# Altium PCB OCP-TimeCardMini-TI_V1.PcbDoc (part 3 of 11) (continued)
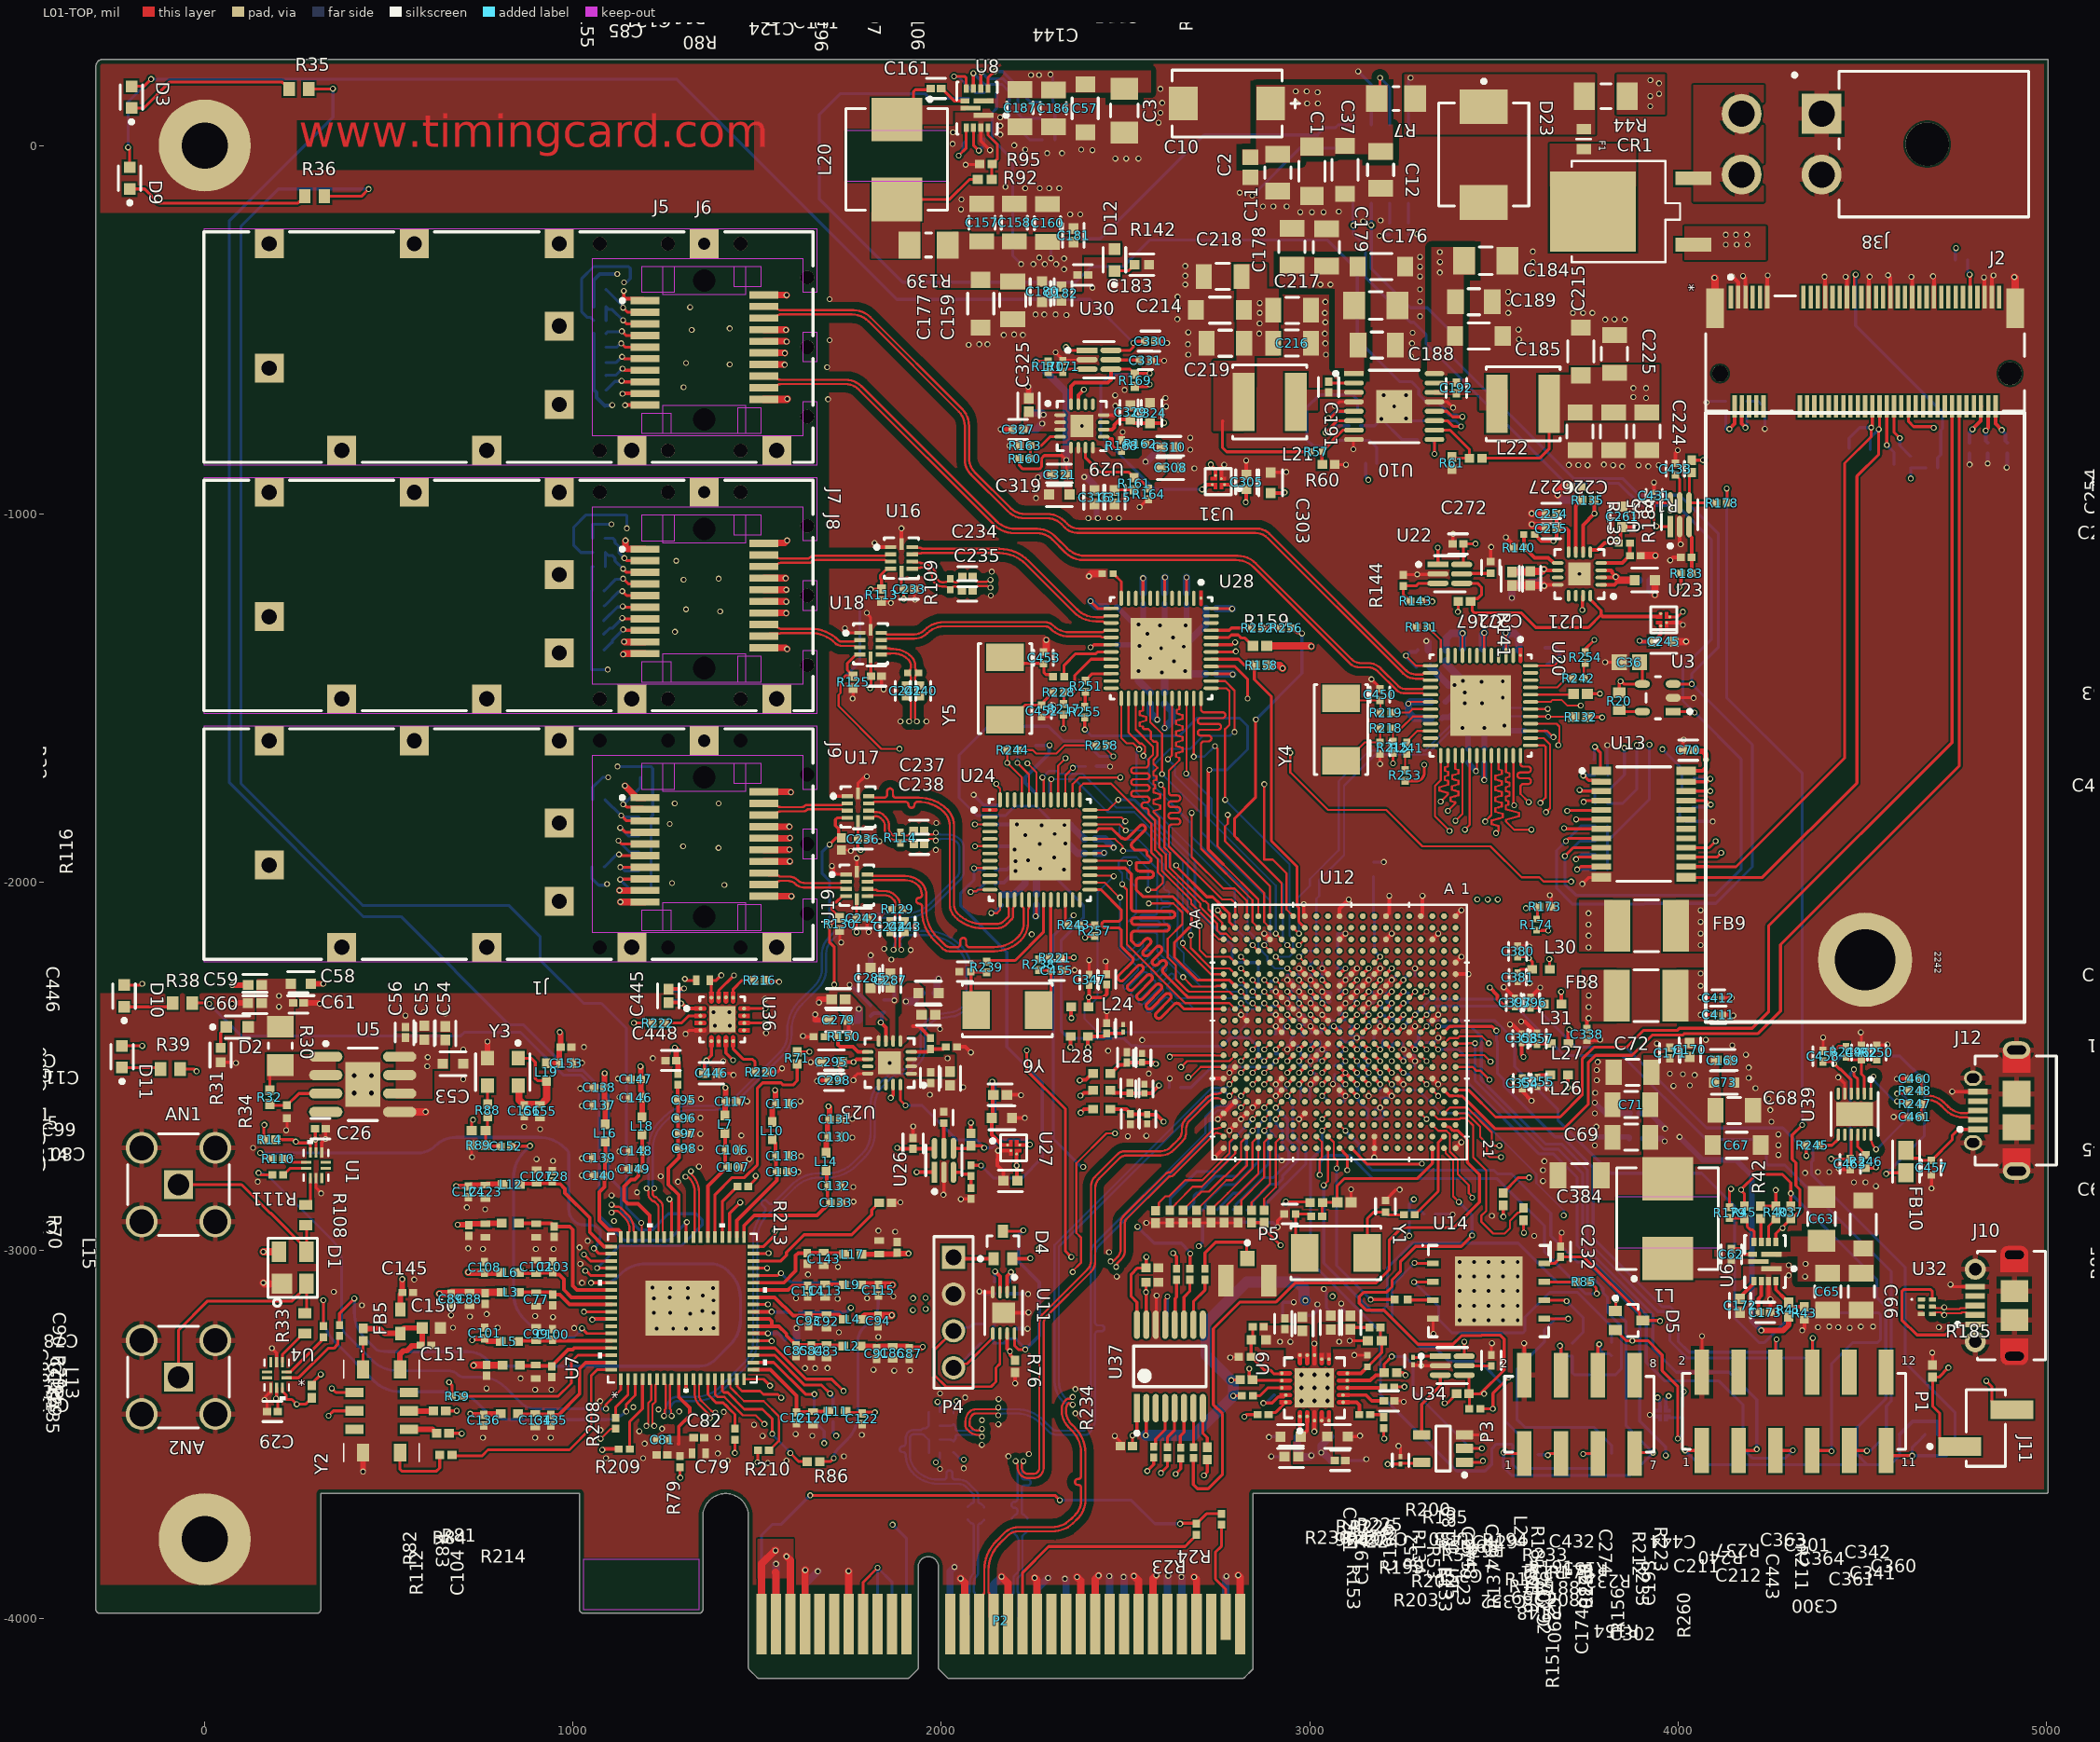
[diagram p0: L01-TOP view]
## Part data (continued)
F1: library part FUSE_0603_2.00A, "FUSE SLOW 5.00A 32V M 0603", MAXTEMP=105C, MFG PART NUM=SF-0603S500-2, MINTEMP=-40C, Supplier Part Number 1=SF-0603S500-2CT-ND, VALENTIUM PART NUM=<VALENTIUM>, CATEGORY=FUSE, DATE="20 OCT 15", DESC="FUSE SLOW 1.25A 32V M 0603", MFG Name=BOURNS, MODIFY DATE=9/4/2013, OTHER="UL E141069", P1="SLOW BLO", P2=32V, P3=M, SIZE=0603, Supplier 1=Digi-Key
FB1 FB2 FB3 FB4 FB6 FB7: library part CMP-0686-00556-7, "Chip Ferrite Bead, 0603, 220Ω @ 100MHz, 0.05Ω, 25%, 2.2A", Case Code (Imperial)=0603, Case Code (Metric)=1608, Current Rating=2.2A, DC Resistance (DCR)=50mR, Inductor Type="FERRITE BEAD", Max Operating Temperature=125°C, Min Operating Temperature=-55°C, Package Quantity=1, Test Frequency=100MHz, Tolerance=25%, Case/Package=0603, Core Material=Ferrite, DC Current=2.2A, DC Resistance-Max=50mR, Depth=0.8mm, Height=0.8mm, Impedance=220R, Lead Free="Lead Free", Length=1.6mm, Material=Ferrite, Max Current Rating=2.2A, Max DC Current=2.2A, Military Standard=Not, Number of Circuits=1, Number of Lines=1, Number of Pins=2, Packaging="Tape and Reel", Radiation Hardening=No, REACH SVHC="No SVHC", RoHS Compliant=Yes, Series=BLM18K, Termination=SMD/SMT, Weight=7.1E-05oz, Width=0.8mm
FB5: library part CMP-0220-00171-2, "FERRITE BEAD 300 OHM 0603 1LN", Case Code (Imperial)=0603, Case Code (Metric)=1608, Case/Package=SMD/SMT, Current Rating=2A, DC Resistance (DCR)=150mR, Inductance=18nH, Max Operating Temperature=125°C, Min Operating Temperature=-55°C, Package Quantity=1, Test Frequency=100MHz, Tolerance=25%, Core Material=Ferrite, Depth=0.8mm, Height=0.8mm, Impedance=300R, Lead Free="Lead Free", Length=1.6mm, Material=Ferrite, Max Current Rating=2A, Max DC Current=2A, Mount="Surface Mount", Number of Lines=1, Packaging="Tape and Reel", RoHS Compliant=Yes, Series=WE-CBF, Termination=SMD/SMT, Weight=0.000141oz, Width=0.8mm
FB8 FB9: library part CMP-00030-39649834-1, "ILHB1812ER121V Ferrite Beads Multi-Layer High Current 120Ohm 25% 100MHz 6A 20mOhm DCR 1812 T/R", Case Code (Imperial)=1812, Case Code (Metric)=4532, Current Rating=6A, DC Resistance (DCR)=20mΩ, Max Operating Temperature=125°C, Min Operating Temperature=-55°C, Series Resistance=15mΩ, Test Frequency=100MHz, Tolerance=25%, Case/Package=1812, Core Material=Ferrite, DC Current=6A, Depth=3.45mm, Height=1.75mm, Impedance=120Ω, Length=4.5mm, Max Current Rating=6A, Max DC Current=6A, Military Standard=Not, Mount="Surface Mount", NexarPartId=39649834, Number of Lines=1, Number of Pins=1812, Packaging="Tape and Reel", Radiation Hardening=No, RMS Current (Irms)=6A, RoHS=Compliant, Schedule B="8504500000, 8504500000", Shielding=Shielded, Termination=SMD/SMT, Width=3.2004mm
FB10: library part CMP-0686-00581-3, "Chip Ferrite Bead, 0603, 600Ω @ 100MHz, 0.15Ω, 25%, 1.3A", Case Code (Imperial)=0603, Case Code (Metric)=1608, Current Rating=1.3A, DC Resistance (DCR)=150mR, Inductor Type="FERRITE BEAD", Max Operating Temperature=125°C, Min Operating Temperature=-55°C, Package Quantity=1, Test Frequency=100MHz, Tolerance=25%, Case/Package=0603, Core Material=Ferrite, DC Current=1.3A, Depth=0.8mm, Height=0.8mm, Impedance=600R, Lead Free="Lead Free", Length=1.6mm, Material=Steel, Max Current Rating=1.3A, Max DC Current=1.3A, Military Standard=Not, Number of Circuits=1, Number of Lines=1, Number of Pins=2, Packaging="Tape and Reel", Radiation Hardening=No, REACH SVHC="No SVHC", RoHS Compliant=Yes, Series=BLM18K, Termination=SMD/SMT, Weight=7.1E-05oz, Width=0.8mm
J1 J5 J7: library part CMP-1704-00003-3, "SFP+ Cage, Single Port, Height 10.85 mm, Tail Height 3.05 mm, -40 to 85 degC, RoHS, Tray", Package Quantity=1152, ComponentLink1Description="Manufacturer URL", ComponentLink1URL=http://www.molex.com/, ComponentLink2Description=Datasheet, ComponentLink2URL=http://www.molex.com/webdocs/datasheets/pdf/en-us/0747540101_IO_CONNECTORS.pdf, ComponentLink3Description="Package Specification", ComponentLink3URL=http://www.molex.com/pdm_docs/sd/747540101_sd.pdf, DatasheetVersion="Rev. Jul-15", Height="10.85 mm", Length="15.9 mm", Mounting Technology="Through Hole", PackageDescription="SFP+ Cage, Single Port, Height 10.85 mm, Tail Height 3.05 mm", PackageVersion="Rev. J, 02/2015", Packaging=Tray, PartNumber=74754-0101, Radiation Hardening=No, RoHSCompliant=True, Width="49 mm"
J2: library part CMP-03365-000004-1, "CONN M.2 FEMALE 67POS 0.020 GOLD", Color=Black, Contact Current Rating=500mA, Insulation Resistance=500MR, Max Operating Temperature=80°C, Max Voltage Rating (AC)=50V, Min Operating Temperature=-40°C, Package Quantity=1200, Contact Material="Copper Alloy", Contact Plating=Gold, Current Rating=500mA, ELV=Compliant, Gender=Female, Height=3.2mm, Housing Color=Black, Housing Material=Thermoplastic, Insulation Material=Thermoplastic, Length=0.862inch, Mount="Surface Mount", Number Of Contacts=67, Number of Positions=67, Number Of Rows=2, Orientation="Right Angle", Packaging="Tape and Reel", PCB Mounting Orientation="Right Angle", Pitch=0.5mm, Radiation Hardening=No, RoHS Compliant=Yes, Row Spacing=7.55mm, Termination=Solder, Voltage Rating=50V, Width=8.7mm
J6 J8 J9: library part CMP-2000-05488-1, "Female Connector, Pitch 0.8 mm, 2 x 10 Position, Height 5.4 mm, -55 to 85 degC, RoHS, Tape and Reel", Manufacturer="TE Connectivity", Package Description="Female Connector, Pitch 0.8 mm, 2 x 10 Position, Height 5.4 mm", Standard Package=1, 3D Model=1367073-1.pdf, Associated Product="A103997CT-ND / -CONNSFPCAGESINGLEW/OPIPE / A103997TR-ND / -CONNSFPCAGESINGLEW/OPIPE / 1367645-3-ND / -CONNCAGE&HEATSINKSGLPORTTIN / 1367645-2-ND / -CONNCAGE&HEATSINKSGLPORTTIN / 1888424-1-ND / -CONNCAGE1X2SFPENHANCEDEMI / 1367643-1-ND / -CONNCAGESNGLPORTDBLSIDETIN / 1489962-1-ND / -CONNSFPCAGESINGLEW/OPIPE / 1367645-1-ND / -CONNCAGE&HEATSINKSGLPORTTIN / A99375-ND / -CONNSFPCAGE1X4PIN-IN-PASTE / A97412CT-ND / -CONNSFPLOWERCAGEPCB / More...", CATEGORY=Connectors,Interconnects, Connector Style=Receptacle, Connector Type=SFP, Contact Finish=Gold, Contact Finish Thickness=15µin(0.38µm), Datasheet URL=http://www.te.com/commerce/DocumentDelivery/DDEController?Action=showdoc&DocId=Customer+Drawing%7F1367073%7FK%7Fpdf%7FEnglish%7FENG_CD_1367073_K.pdf%7F1367073-1, Datasheet Version="Rev. K, 12/2012", Dynamic Catalog=SFPConnectors, Family=PluggableConnectors, Featured Product=HighSpeedPluggableI-OSolutions, Manufacturer URL=http://www.te.com/, Mating Products="516-2084-ND / -TXRXOPTICALSFF1.25GBDISCSI", Mounting Technology=SurfaceMount, Mounting Type=SurfaceMount,RightAngle, Number of Positions=20, Other Names=A97430DKR, Package Reference=1367073-1, Packaging=Digi-Reel®, Product Training Modules=HighSpeedPluggableI/OSolutions, RoHS Information=1367073-1StatementofCompliance, Termination=Solder
J10: library part CMP-2000-05827-1, "Micro-USB B Receptacle, Right Angle, Bottom Mount, Surface Mount, with Solder Tabs, -30 to 85 degC, 5-Pin USB, RoHS, Tape and Reel", Manufacturer=Molex, Package Description="5-Leads USB, Micro B, Body 7.5 x 5 mm, Pitch 0.65 mm", Package Reference=MICRO-B, Package Version="Rev. F, 12/2012", Standard Package=1, Voltage - Max=30V, 3D Model=105017-0001.stp, Catalog Drawings=1050170001, CATEGORY=Connectors,Interconnects, Circuits=5, Connector Type=USB-microB, Datasheet URL=http://www.molex.com/elqNow/elqRedir.htm?ref=http://www.molex.com/webdocs/datasheets/pdf/en-us/1050170001_IO_CONNECTORS.pdf, Datasheet Version=03/2016, Family=USB,DVI,HDMIConnectors, Featured Product=Micro-USBConnectorsUSBConnectors, Features=Shielded,SolderRetention, Gender=Receptacle, Ingress Protection=-, Manufacturer URL=http://www.molex.com/, Mating Products=WM17145-ND-CABLEMICROUSBBTOSTDA1.0MWM17147-ND-CABLEMICROUSBBTOSTDA2.0MWM17146-ND-CABLEMICROUSBBTOSTDA1.5M, Mounting Technology=SurfaceMount, Mounting Type=BoardCutout,SurfaceMount,RightAngle, Number Of Contacts=5, Online Catalog=Molex-MicroUSB, Other Names=WM1399DKR, Package URL=http://www.molex.com/pdm_docs/sd/1050170001_sd.pdf, Packaging=Digi-Reel®, PCN Assembly/Origin=ResinSupplier21/Oct/2015, RoHS Information=1050170001CertofCompliance, Series=-, Specifications=-
J11: library part CMP-04776-000997-1, "CONN BREAKAWAY SMD HDR 2POS", Current Rating=3A, Max Operating Temperature=105°C, Min Operating Temperature=-55°C, Voltage Rating=250V, Contact Gender=Male, Contact Material="Copper Alloy", Contact Mating Length=5.84mm, Contact Plating=Gold, Gender=Male, Housing Material=Nylon, Mount="Surface Mount", Number Of Contacts=2, Number of Positions=2, Number Of Rows=1, Orientation=Straight, Packaging=Tray, Pitch=2.54mm, Radiation Hardening=No, RoHS Compliant=Yes, Series=87898, Termination=SMD/SMT
J12: library part CMP-2000-05610-1, "Right Angle Female Type AB Micro USB Connector, 30 V, 1.8 A, -30 to 85 degC, RoHS, Tape and Reel", Color=Black, Current Rating=1.8A, Manufacturer=Molex, Operating Temperature Range=-20Cto+85C, Package Description="Micro USB Connector, Pitch 0.65 mm, 5 Positions, Body 7.5 x 5.6 mm", Voltage Rating=30VAC, Brand=Molex, Connector Type=MicroUSBTypeABreceptacle, Contact Material=CopperAlloy, Contact Plating=Gold, Datasheet URL=http://www.molex.com/webdocs/datasheets/pdf/en-us/0475890001_IO_CONNECTORS.pdf, Datasheet Version=12/2016, Gender=Female, Manufacturer URL=http://www.molex.com/, Mounting Angle=Right, Mounting Technology=SurfaceMount, Number Of Contacts=5Contact, Number of Ports=1Port, Package Reference=47589-0001, Package URL=http://www.molex.com/pdm_docs/sd/475890001_sd.pdf, Packaging=Reel, Product=MicroUSBTypeABConnectors, Product Category=USBConnectors, RoHS=True, Series=47589, Standard=USB, Termination Style=SMD/SMT
J38: library part CMP-2000-05600-2, "CONN HEADER R/A 4POS 4.2MM", Current Rating=13A, Manufacturer=Molex, Temperature="-40°C to +105°C", Temperature Range High=+105°C, Temperature Range Low=-40°C, Voltage Rating=600V, Automotive=No, CATEGORY=Conn, ComponentLink2Description=Datasheet, ComponentLink2URL=https://www.molex.com/webdocs/datasheets/pdf/en-us/0039300040_PCB_HEADERS.pdf, Conn Gender=Male, Conn Orientation="Right Angle", Contact Material=Gold,Nickel, Device Class L1=Connectors, Device Class L2="Headers and Wire Housings", Device Class L3=unset, Digikey Description="CONN HEADER R/A 4POS 4.2MM", Footprint Url=https://www.molex.com/pdm_docs/sd/039300040_sd.pdf, Lead Free=Yes, Manufacturer Part Number=39-30-0040, Mouser Description="Headers & Wire Housings 4 CKT R/A HEADER", Number Of Contacts=4, Number Of Rows=2, Octopart=https://octopart.com/39-30-0040-molex-277428, Package=39-30-0040, Pitch=4.2mm, RoHS=TRUE, Standoff Height=0.4mm
L1 L20: library part CMP-1353-00066-2, "SMD Power Inductor WE-LHMI, L=1.2 µH", Inductance="1.2 ÂµH", Manufacturer="Wuerth Elektronik", PartNumber=74437349012, ComponentLink1Description="Manufacturer URL", ComponentLink1URL=http://www.we-online.com, ComponentLink2Description=Datasheet, ComponentLink2URL=http://katalog.we-online.de/kataloge/eisos/media/pdf/74437349012.pdf, PackageReference="WE-LHMI 7050"
L2 L3 L4 L5 L6 L7 L8 L9 L10 L11 L12 L13 L14 L15 L16 L17 L18 L19 L23 L24 L25 L26 L27 L28 L29 L30 L31: library part CMP-0220-00137-1, "SMD EMI Suppression Ferrite Bead WE-CBF, Z = 220 Ohm", ComponentLink1Description="Manufacturer Link", ComponentLink1URL=http://www.we-online.com, ComponentLink2Description=Datasheet, ComponentLink2URL=http://www.we-online.de/katalog/media/pdf/742792780.pdf, DatasheetVersion="ver 4, Jul-2009", Impedance="220 Ohm", PackageDescription="Chip Inductor, 2-Leads, Body 1.0 x 0.5 mm", PackageReference=SMD-0402, PackageVersion=2009
L21 L22: library part CMP-14484-000464-1, "Inductor Power Shielded Wirewound 2.2uH 30% 100KHz Ferrite 3.5A 29.9mΩ DCR Automotive T/R", Case/Package=Nonstandard, Current Rating=3.5A, DC Resistance (DCR)=29.9mR, Inductance=2.2uH, Max Operating Temperature=125°C, Min Operating Temperature=-40°C, Package Quantity=500, Ratings=AEC-Q200, Resistor Type=Wirewound, Saturation Current=4.2A, Self Resonant Frequency=46MHz, Test Frequency=100kHz, Tolerance=30%, Core Material=Ferrite, Depth=4.9mm, Halogen Free="Halogen Free", Height=3mm, Height - Seated (Max)=0.118inch, Length=0.193inch, Max DC Current=3.5A, Mount="Surface Mount", Packaging="Tape and Reel", Radiation Hardening=No, Shielding=Shielded, Termination=SMD/SMT, Width=0.193inch
P1: library part CMP-1502-01054-2, Color=Black, Contact Resistance=20mΩ, Current Rating=3A, Operating Supply Voltage=250V, Connector Type="Male Pin", Contact Material=Copper, Contact Mating Length=5.9944mm, Contact Plating=Gold, Gender=Male, Lead Pitch=2.54mm, Mount="Surface Mount", NexarPartId=32855452, Number Of Contacts=12, Number of Pins=12, Number of Positions=12, Number Of Rows=2, Orientation=Vertical, Packaging="Tape and Reel", Pitch=2.54mm, REACH SVHC=Unknown, RoHS=Compliant, Row Spacing=2.54mm, Termination=Solder
P2: "PCIE x4 Edge Connector,OrCAD Symbol,NC", Manufacturer=NA, Part Number=451, NOTE=NC, Part Type=SMT, Vendor P/N=NA
P3: library part CMP-1502-01052-1, "SMT Vertical Pin Header WR-PHD, Pitch 2.54 mm, Dual Row, 8 pins", Contact Resistance=20mOhm, Manufacturer="Wurth Elektronik", Operating Temperature=-40to125degC, Rated Current=3A, Withstanding Voltage=500VAC, Working Voltage=250VAC, Datasheet URL=https://katalog.we-online.de/em/datasheet/6103xx21121.pdf, Gender=Male, Manufacturer URL=http://www.we-online.de, Mounting Technology=SMT, Orientation=Vertical, Package Reference=61030821121, Packaging=TapeandReel, Part Number=61030821121, Pin Number=8, Pitch=2.54mm, Publisher=WurthElektronik, Row Number=Dual
P4: library part CMP-1502-01064-1, "THT Vertical Pin Header WR-PHD, Pitch 2.54 mm, Single Row, 4 pins", Contact Resistance=20mOhm, Manufacturer="Wurth Elektronik", Operating Temperature=-40to105degC, Rated Current=3A, Withstanding Voltage=500VAC, Working Voltage=250VAC, Datasheet URL=https://katalog.we-online.de/em/datasheet/6130xx11121.pdf, Gender=Male, Manufacturer URL=http://www.we-online.de, Mounting Technology=THT, Orientation=Vertical, Package Reference=61300411121, Packaging=Bag, Part Number=61300411121, Pin Number=4, Pitch=2.54mm, Publisher=WurthElektronik, Row Number=Single
P5: library part CMP-2000-05151-1, "CONN RECPT ULTRA-MINI COAX SMD", Centre Contact Resistance=25mohm, Contact Resistance=10mohm, Flammability Rating=UL94V-0, Frequency Max=6GHz, Insulation Resistance=500Mohm, Manufacturer="Hirose Electric", Operating Temperature Max=90degC, Operating Temperature Min=-40degC, Package Description="3-Pin Surface Mount Device, Body 2.6 x 2.6 mm", Package Reference=U.FL-R-SMT(10), Voltage Rating V AC=60V, Approval Category=UL94V-0, Body Plating=Silver, Body Style=StraightJack, Coaxial Termination=Solder, Connector Mounting=PCB, Connector Mounting Orientation=PCBoard, Connector Type=UFLCoaxial, Contact Material=PhosphorBronze, Contact Plating=Gold, Datasheet URL=http://www.farnell.com/datasheets/91524.pdf, Datasheet Version=Feb-04, External Length / Height=2.5mm, Female Contact Material=PhosphorBronze, Female Contact Plating=Gold, Impedance=50ohm, Jacket Material=LCP, Male Contact Material=Brass, Male Contact Plating=Gold, Manufacturer URL=https://www.hirose.com, Material=PhosphorBronze, Mounting Type=PCBoard, Operating Frequency Max=6GHz, Outer Contact Resistance=10mohm, Secondary Insulation Material=PBT, SVHC=NoSVHC(18-Jun-2012), Termination Method=Solder, VSWR=1.3
R1 R2 R3 R4 R5 R6 R8 R9 R10 R11 R12 R13 R14 R15 R16 R17 R18 R19 R21 R22 R25 R26 R27 R28 R29 R37 R40 R42 R45 R58 R63 R65 R67 R68 R70 R71 R74 R75 R76 R77 R78 R82 R83 R84 R90 R91 R93 R94 R99 R100 R101 R106 R107 R113 R115 R117 R118 R119 R120 R123 R124 R125 R130 R141 R154 R165 R166 R167 R169 R181 R182 R185 R188 R189 R190 R191 R192 R193 R194 R195 R196 R197 R198 R199 R200 R201 R202 R203 R216 R220 R234 R235 R236: library part CMP-2002-05217-1, Manufacturer=Bourns, Part Number=CR0402-FX-4701GLF
R7 R30 R139: library part CMP-2003-04334-1, Manufacturer="Vishay Dale", Part Number=WSL12062L000FEA18
R20: library part CMP-2000-06990-1, "Chip Resistor, 10 KOhm, +/- 1%, 0.1 W, -55 to 155 degC, 0603 (1608 Metric), RoHS, Tape and Reel RMCF0603FT10K0", Manufacturer=Stackpole-Electronics-Inc., Operating Temperature=-55°C~155°C, Package / Case=0603(1608Metric), Package Description="2-Pin Surface Mount Device, Body 1.55 x 0.8 mm", Package Reference=0603, Power (Watts)=0.1W,1/10W, Resistance (Ohms)=10k, Temperature Coefficient=±100ppm/°C, Tolerance=±1%, CATEGORY=Resistors, Composition=ThickFilm, Datasheet URL=https://www.seielect.com/Catalog/SEI-RMCF_RMCP.pdf, Datasheet Version=01/2017, Family=ChipResistor-SurfaceMount, Features=AutomotiveAEC-Q200, Height="0.022\"(0.55mm)", Manufacturer URL=https://www.seielect.com/, Mounting Technology=SurfaceMount, Number of Terminations=2, Packaging=CutTape(CT), Series=RMCF, Size / Dimension="0.061\"Lx0.031\"W(1.55mmx0.80mm)", Supplier Device Package=0603
R23 R24 R47 R49 R51 R53 R54 R55 R59 R73 R79 R80 R105 R110 R111 R112 R122 R143 R144 R155 R156 R170 R171 R175 R176 R177 R178 R179 R180 R183 R184 R186 R187 R204 R205 R206 R207 R208 R209 R210 R211 R212 R213 R214 R215 R217 R218 R219 R221 R225 R226 R227 R228 R229 R230 R231 R232 R233 R238 R239 R241 R242 R243 R244 R251 R252 R253 R254 R255 R256 R257 R258 R259: library part CMP-2002-04569-1, Manufacturer="KOA Speer", Part Number=RK73Z1ETTP
R31 R142: library part CMP-2002-00757-2, "RES SMD 200 OHM 1% 1/10W 0402", Case Code (Imperial)=0402, Case Code (Metric)=1005, Max Operating Temperature=155°C, Max Power Dissipation=100mW, Min Operating Temperature=-55°C, Package Quantity=1, Resistance=200R, Resistance Tolerance=1%, Resistor Type="Thick Film", Temperature Coefficient=100ppm/°C, Voltage Rating=50V, Case/Package=0402, Construction=Rectangular, Contact Plating=Tin, Depth=0.5mm, Features="Automotive AEC-Q200", Height=0.35mm, Lead Free="Lead Free", Length=1mm, Military Standard=Not, Mount="Surface Mount", Number of Terminations=2, Packaging="Tape and Reel", Power Rating=100mW, Radiation Hardening=No, REACH SVHC="No SVHC", RoHS Compliant=Yes, Series=ERJ, Size Code=0402, Technology="THICK FILM", Termination=SMD/SMT, Tolerance=1%, Voltage Rating (DC)=50V, Width=0.02inch
R32: library part CMP-2002-07579-1, Manufacturer=Yageo, Part Number=RC0402FR-072K94L
R33 R108: library part CMP-1659-00036-1, "General Purpose Chip Resistor, 49.9 Ohm, +/- 1%, -55 to 155 degC, 0603 (1608 Metric), RoHS, Tape and Reel", Case\Package=LQFP, Max Operating Temperature="85 degC", Max Supply Voltage="3.63 V", Min Operating Temperature="-40 degC", Min Supply Voltage="2.97 V", Package Quantity=250, ComponentLink1Description="Manufacturer URL", ComponentLink1URL=http://www.yageo.com/, ComponentLink2Description=Datasheet, ComponentLink2URL=https://datasheet.ciiva.com/11808/0900766b80f96399-11808223.pdf, DatasheetVersion="Rev. 4, 04/2009", Interface=SPI, PackageDescription="2-Pin Surface Mount Device, Body 1.6 x 0.8 mm", PackageReference=0603, Packaging=Tray, Pins=48, RoHSCompliant=true
R34: library part CMP-2002-00630-1, Manufacturer=Panasonic, Part Number=ERJ-2RKF1131X
R35 R36 R38 R39: library part CMP-2000-00316-1, "ERJ-3EKF2000V", Manufacturer=Panasonic, Part Number=ERJ-3EKF2000V
R41 R92: library part CMP-2002-07692-1, Manufacturer="Yageo / Phycomp", Part Number=RC0402FR-0745K3L
R43 R95: library part CMP-2002-04694-1, Manufacturer=Bourns, Part Number=CR0402-FX-1002GLF
R44: library part CMP-2003-04873-1, Manufacturer="Vishay Dale", Part Number=CRCW12060000Z0EAHP
R46: library part CMP-2002-00742-1, Manufacturer=Panasonic, Part Number=ERJ-2RKF1871X
R48: library part CMP-2002-06462-1, Manufacturer=Panasonic, Part Number=ERJ-U02F1501X
R50 R87 R89: library part CMP-2002-06458-1, Manufacturer=Panasonic, Part Number=ERJ-U02F1000X
R52: library part CMP-2002-00708-1, Manufacturer=Panasonic, Part Number=ERJ-2RKF1601X
R56: library part CMP-2002-03884-1, Manufacturer="KOA Speer", Part Number=RK73H1ETTP3012F
R57: library part CMP-2002-00657-1, Manufacturer=Panasonic, Part Number=ERJ-2RKF1272X
R60 R61: library part CMP-2002-04298-1, Manufacturer="KOA Speer", Part Number=RK73H1ETTP2212F
R62 R64 R98 R102: library part CMP-2000-07451-1, "Chip Resistor, 0 Ohm, 0.1 W, -55 to 155 degC, 0402 (1005 Metric), RoHS, Tape and Reel", Case Code (Imperial)=0402, Case Code (Metric)=1005, Manufacturer=Panasonic, Max Operating Temperature=155degC, Max Power Dissipation=100mW, Min Operating Temperature=-55degC, Package Description="2-Pin Surface Mount Device, Body 1 x 0.5 mm", Package Quantity=1, Package Reference=402, Resistance=0mOhm, Temperature Coefficient=600ppm/��C, Tolerance=5%, Voltage Rating=50V, Case/Package=0402, Composition=ThickFilm, Contact Plating=Tin, Datasheet URL=https://industrial.panasonic.com/cdbs/www-data/pdf/RDA0000/AOA0000C301.pdf, Datasheet Version=03/2015, Depth=0.5mm, Height=0.35mm, Lead Free=LeadFree, Length=1mm, Manufacturer URL=http://www.panasonic.com/, Military Standard=Not, Mount=SurfaceMount, Mounting Technology=SurfaceMount, Number of Terminations=2, Packaging=TapeandReel, Power Rating=100mW, Radiation Hardening=No, REACH SVHC=NoSVHC, RoHSCompliant=True, Termination=SMD/SMT, Voltage Rating (DC)=50V, Width=0.02inch
R66: library part CMP-2002-08397-1, Manufacturer="Vishay Dale", Part Number=CRCW0402240RFKED
R69 R85 R96 R97 R103 R104 R121 R126 R127 R128 R245 R246 R247 R248: library part CMP-2002-08434-1, Manufacturer="Vishay Dale", Part Number=CRCW040227R0FKED
R72: library part CMP-2002-07883-1, Manufacturer=Yageo, Part Number=RC0402FR-133K01L
R81: library part CMP-2002-01772-2, "RESISTOR 0402 JUMPER ZERO OHM", Case Code (Imperial)=0402, Case Code (Metric)=1005, Max Operating Temperature=155°C, Min Operating Temperature=-55°C, Power Rating=62.5mW, Resistance=0R, Temperature Coefficient=200ppm/°C, Tolerance=1%, Voltage Rating=50V, Case/Package=0402, Packaging="Tape and Reel", Series=AC, Termination=SMD/SMT
R86 R88 R222 R223 R224 R237 R240: library part CMP-2002-04448-1, Manufacturer="KOA Speer", Part Number=RK73H1ETTP49R9F
R109 R114 R116 R129: library part CMP-2002-03042-1, Manufacturer="Vishay Dale", Part Number=CRCW0402100RFKEDHP
R131 R145 R157: library part CMP-2002-07365-1, Manufacturer="Yageo / Phycomp", Part Number=RC0402FR-0711KL
R132 R133 R146 R147 R158 R159: library part CMP-2002-06097-1, Manufacturer=Multicomp, Part Number=MC00625W040212K2
R134 R148 R160: library part CMP-2002-04904-1, Manufacturer=Bourns, Part Number=CR0402-FX-2003GLF
R135 R149 R161: library part CMP-2002-05688-1, Manufacturer="TE Connectivity / AMP", Part Number=CRG0402F130K
R136 R150 R162: library part CMP-2002-07763-1, Manufacturer="Yageo / Phycomp", Part Number=RC0402FR-0760K4L
R137 R138 R140 R151 R152 R153 R163 R164 R168: library part CMP-1011-00702-2, Manufacturer=Bourns, Part Number=CR0402-FX-4992GLF
R172: library part CMP-2002-00038-1, Manufacturer="Vishay Dale", Part Number=CRCW0402499RFKTD
R173: library part CMP-1011-00622-2, Manufacturer="Yageo / Phycomp", Part Number=RC0402FR-079K76L
R174: library part CMP-2002-00996-1, Manufacturer=Panasonic, Part Number=ERJ-2RKF5622X
R249: library part CMP-2002-07353-1, Manufacturer="Yageo / Phycomp", Part Number=RC0402FR-0710KL
R250: library part CMP-2002-00694-4, "RES SMD 15K OHM 1% 1/10W 0402", Manufacturer=Panasonic, Manufacturer Part Number=ERJ-2RKF1502X, Package=ERJ2R, Power Rating=0.1W, Resistance=15kΩ, Temperature="-55°C to +155°C", Temperature Coefficient=100ppm/°C, Temperature Range High=+155°C, Temperature Range Low=-55°C, Tolerance=1%, Voltage Rating=50V, Automotive=Yes, Automotive Grade="Grade 0", CATEGORY=Res, ComponentLink2Description=Datasheet, ComponentLink2URL=https://industrial.panasonic.com/cdbs/www-data/pdf/RDA0000/AOA0000C304.pdf, Composition="Thick Film", Device Class L1="Passive Components", Device Class L2=Resistors, Device Class L3="Chip SMD Resistors", Digikey Description="RES SMD 15K OHM 1% 1/10W 0402", Footprint Url=https://b2b-api.panasonic.eu/file_stream/pids/fileversion/1180, Height=0.4mm, Lead Free=Yes, Mouser Description="Res Thick Film 1.0 x 0.5 mm 15K Ohm 1% 0.1W(1/10W) 100ppm/ C Molded SMD Punched Carrier T/R", Octopart=https://octopart.com/erj-2rkf1502x-panasonic-55404985, RoHS=TRUE, Series=ERJ
R260: library part CMP-2002-04479-1, Manufacturer="KOA Speer", Part Number=RK73H1ETTP59R0F
U1 U4: "No Description Available", Mfr_Name=Pericom, RefDes=RefDes, Type=Type
U2: library part CMP-0704-00005-3, "IC MONITOR PWR/CURR BIDIR 8-SOIC", Case/Package=SOIC, Input Offset Voltage (Vos)=40uV, Max Operating Temperature=125°C, Max Supply Voltage=5.5V, Min Operating Temperature=-40°C, Min Supply Voltage=3V, Nominal Supply Current=1mA, Output Current=10mA, Package Quantity=1, Quiescent Current=700uA, Accuracy=0.5%, Bandwidth=11kHz, Common Mode Rejection Ratio=100dB, Contact Plating=Gold, Lead Free="Lead Free", Number of Amplifiers=1, Number of Pins=8, Packaging="Tape and Reel", Radiation Hardening=No, REACH SVHC="No SVHC", RoHS Compliant=Yes, Series=Zero-Drift, Supply Current=1mA
U3: library part CMP-06313-000011-1, "IC EEPROM 2K I2C 1MHZ SOT23-5", Frequency=1000kHz, Manufacturer=Microchip, Max Supply Voltage=5.5V, Min Supply Voltage=1.7V, Nominal Supply Current=0.4-2mA, Package=5TS1, Temperature="-40°C to +85°C", Temperature Range High=+85°C, Temperature Range Low=-40°C, Access Time=0.55us, Automotive=No, CATEGORY=IC, ComponentLink2Description=Datasheet, ComponentLink2URL=http://ww1.microchip.com/downloads/en/DeviceDoc/Atmel-8807-SEEPROM-AT24MAC402-602-Datasheet.pdf, Device Class L1="Integrated Circuits (ICs)", Device Class L2=Memory, Device Class L3=EEPROM, Digikey Description="IC EEPROM 2K I2C 1MHZ SOT23-5", Height=1mm, Interface=I2C,2-Wire, Ipc Land Pattern Name=SOT95P280X100-5, Lead Free=Yes, Manufacturer Part Number=AT24MAC402-STUM-T, Memory Size=2Kbits, Memory Type=EEPROM, Mouser Description="EEPROM Serial-I2C 2K-bit 256 x 8 1.8V/2.5V/3.3V/5V 5-Pin SOT-23 T/R", Octopart=https://octopart.com/at24mac402-stum-t-microchip-77758112, RoHS=TRUE, Standoff Height=0mm
U5: library part CMP-0062-01039-2, "1.5A Fast-Transient Response Adjustable Low-Dropout Linear Voltage Regulator, 8-pin PSOP, Pb-Free", Manufacturer="National Semiconductor", PackageTopMarking=NSXYTT*L38512*-ADJ, PowerWise=N, Code_JEDEC=MS-012-AA, ComponentLink1Description="LP38512 Datasheet", ComponentLink1URL=http://www.national.com/ds/LP/LP38512-ADJ.pdf, ComponentLink2Description="LP38512 Web Page", ComponentLink2URL=http://www.national.com/pf/LP/LP38512.html, ComponentLink3Description="MRA08B Package Page", ComponentLink3URL=http://www.national.com/packaging/folders/mra08b.html, CompType="LDO IC", DatasheetVersion=Feb-2009, PackageDescription="Molded, PSOP .193 x .154 x .058in, 8 Lead, .050in Pitch, Large DAP", PackageReference=MRA08B, PackageVersion="revB, Dec-2007", PinCount=8, RevisionNote="Component URLs added", RoHS=Y
U6 U8: library part CMP-12757-000022-1, "DCDC CONV HV BUCK,V-QFN2030-12", RoHS Compliant=Yes
U7: library part 8A34002E-000NLG, "No Description Available", Mfr_Name="Renesas Electronics", Supplier Part Number 1=972-8A34012E-000NLG, RefDes=RefDes, Supplier 1=Mouser, Type=Type
U9: library part CMP-04917-000013-1, "IC REG LINEAR POS ADJ 1A 20QFN", Dropout Voltage=200mV, Manufacturer="Texas Instruments", Max Junction Temp=+125°C, Max Supply Voltage=6.5V, Min Supply Voltage=1.4V, Nominal Supply Current=2mA, Output Current=1A, Output Voltage=0.8-5V, Package=RTJ0020D, Temperature="-40°C to +125°C", Temperature Range Low=-40°C, Accuracy Percentage=1%, Automotive=No, CATEGORY=IC, ComponentLink2Description=Datasheet, ComponentLink2URL=http://www.ti.com/lit/ds/symlink/tps7a88.pdf, Device Class L1="Integrated Circuits (ICs)", Device Class L2="Power Management ICs", Device Class L3="Voltage Regulators - Linear", Digikey Description="IC REG LINEAR POS ADJ 1A 20QFN", Height=0.8mm, Ipc Land Pattern Name=QFN50P400X400X75-20, Lead Free=Yes, Manufacturer Part Number=TPS7A8801RTJT, Mouser Description="LDO Voltage Regulators Dual 1A LDO", Number of Outputs=2, Octopart=https://octopart.com/tps7a8801rtjt-texas+instruments-68059618, Output Type=AdjustableProgrammable, RoHS=TRUE, Standoff Height=0mm, Temperature Range High=+125°C
U10: library part CMP-04918-000518-1, "IC REG BCK ADJ 2A/3A DL 16HTSSOP", Case/Package=HTSSOP, Max Input Voltage=18V, Max Operating Temperature=85°C, Min Input Voltage=4.5V, Min Operating Temperature=-40°C, Output Current=3A, Output Voltage=7V, Package Quantity=2000, Quiescent Current=1.3mA, Switching Frequency=700kHz, Contact Plating=Gold, Lead Free="Lead Free", Mount="Surface Mount", Number of Outputs=2, Number of Pins=16, Operating Supply Voltage=18V, Output Type=Adjustable, Packaging="Tape and Reel", RoHS Compliant=Yes, Series="D-CAP2™, Eco-Mode™", Synchronous Rectifier=Yes
U11: library part CMP-06313-000185-1, "IC EEPROM 4KBIT I2C 1MHZ 8UDFN", Frequency=400kHz, Max Operating Temperature=85°C, Max Supply Voltage=5.5V, Min Operating Temperature=-40°C, Min Supply Voltage=1.7V, Nominal Supply Current=3mA, Package Quantity=5000, Access Time=900ns, Access Time-Max=900ns, Contact Plating=Gold, Density=4Kb, Interface=I2C, Max Frequency=400kHz, Memory Type=EEPROM, Mount="Surface Mount", Number of Pins=8, Organization=512X8, Packaging="Tape and Reel", Radiation Hardening=No, RoHS Compliant=Yes, Series=-, Supply Current=3mA, Write Protection=YES
U12: "No Description Available", Mfr_Name="Texas Instruments", RefDes=RefDes, Type=Type
U13: library part CMP-2000-06880-2, "IC INTERFACE SPECIALIZED 24TSSOP", Case/Package=TSSOP, Low Level Output Current=9mA, Max Frequency=400kHz, Max Operating Temperature=85°C, Max Power Dissipation=400mW, Max Supply Voltage=5.5V, Min Operating Temperature=-40°C, Min Supply Voltage=2.3V, Nominal Supply Current=100mA, On-State Resistance=24R, Operating Supply Current=65uA, Package Quantity=2500, Bandwidth=400kHz, Contact Plating=Gold, Interface=I2C, Lead Free="Lead Free", Logic Function=Multiplexer, Mount="Surface Mount", Number of Channels=16, Number Of Inputs=8, Number of Outputs=1, Number of Pins=24, Packaging="Tape and Reel", Power Dissipation=400mW, Propagation Delay=0.3ns, Quiescent Current=65uA, Radiation Hardening=No, Turn-Off Delay Time=300ns, Turn-On Delay Time=300ns
U14: library part CMP-2000-07017-1, "SPI Flash Memory, 2.7 to 3.6 V, -40 to 85 degC, 8-Pin WSON, RoHS, Tube", Manufacturer=CypressSemiconductorCorp, Operating Temperature=-40°C~85°C(TA), Package / Case=8-WDFNExposedPad, Package Description="8-Pin Small Outline No-lead Package, Body 6 x 8 mm, Pitch 1.27 mm", Package Reference=WSON-8, Supplier Device Package=8-WSON(6x8), Voltage - Supply=2.7V~3.6V, CATEGORY=IntegratedCircuits(ICs), Datasheet URL=http://www.spansion.com/Support/Datasheets/S25FL128S_256S_00.pdf, Datasheet Version="Rev. *I, 08/2015", Family=Memory, Format - Memory=FLASH, Interface=SPISerial, Manufacturer URL=http://www.cypress.com/, Memory Size=256M(32Mx8), Memory Type=FLASH-NOR, Mounting Technology=SurfaceMount, Packaging=Tube, Series=FL-S, Speed=133MHz
U15 U23 U27 U31: library part CMP-06317-000053-1, "IC PWR SWITCH P-CHAN 1:1 4TMLF", Current Rating=2A, Max Operating Temperature=125°C, Max Supply Voltage=5.5V, Min Operating Temperature=-40°C, Min Supply Voltage=1.7V, On-State Resistance=67mR, On-state Resistance-Max=67MR, Package Quantity=5000, Interface=On/Off, Lead Free="Lead Free", Max Output Current=2A, Mount="Surface Mount", Nominal Supply Current=2A, Number of Outputs=1, Number of Pins=4, Output Configuration="High Side", Output Current=2A, Packaging="Tape and Reel", Radiation Hardening=No, Rated Current-Max=2A, Reach SVHC Compliant=Yes, RoHS Compliant=Yes, Series=-, Supply Current=2A, Turn-Off Delay Time=200ns, Turn-On Delay Time=1.5us
U16 U17 U18 U19: library part CMP-10118-000007-1, "DisplayPort, PCIe, USB Switch IC 1 Channel 10-XQFN (1.55x2)", RoHS Compliant=Yes
U20 U24 U28: library part CMP-04874-000002-2, "IC TRANSCEIVER 1/1 48FN", RoHS Compliant=Yes
U21 U25 U29: library part CMP-0786-00062-1, "Triple, 200 mA, Low Noise, High PSRR Voltage Regulator, 2.5 to 5.5 V Vin, Adjustable Vout, Industrial, 16-pin QFN (CP-16-27), Reel", Manufacturer="Analog Devices", Supply Current IGND @ Small Load=85uA, Code_JEDEC=MO-229, ComponentLink1Description="Manufacturer URL", ComponentLink1URL=http://www.analog.com/en/index.html, ComponentLink2Description=Datasheet, ComponentLink2URL=http://www.analog.com/static/imported-files/data_sheets/ADP322_323.pdf, ComponentLink3Description="Package Specification", ComponentLink3URL=http://www.analog.com/static/imported-files/packages/PKG_PDF/LFCSP(CP)/CP_16_27.pdf, ComponentLink4Description="URL Link1", ComponentLink4URL="Product URL:http://www.analog.com/en/ADP323/productSearch.html", DatasheetVersion="Rev. A", Iout max=200mA, Mounting Technology="Surface Mount", PackageDescription="16-Pin Lead Frame Chip Scale Package, Body 3 x 3 mm, Pitch 0.5 mm", PackageReference=CP-16-27, PackageVersion="091609-A, 09/2009", Packing=Reel, PartNumber=ADP323ACPZ-R7, Vin (max) (V)=5.5, Vin (min) (V)=2.5, Vout Adjustable Range="0.5V to 5V"